# KiCad board guilty-pad-gay.kicad_pcb
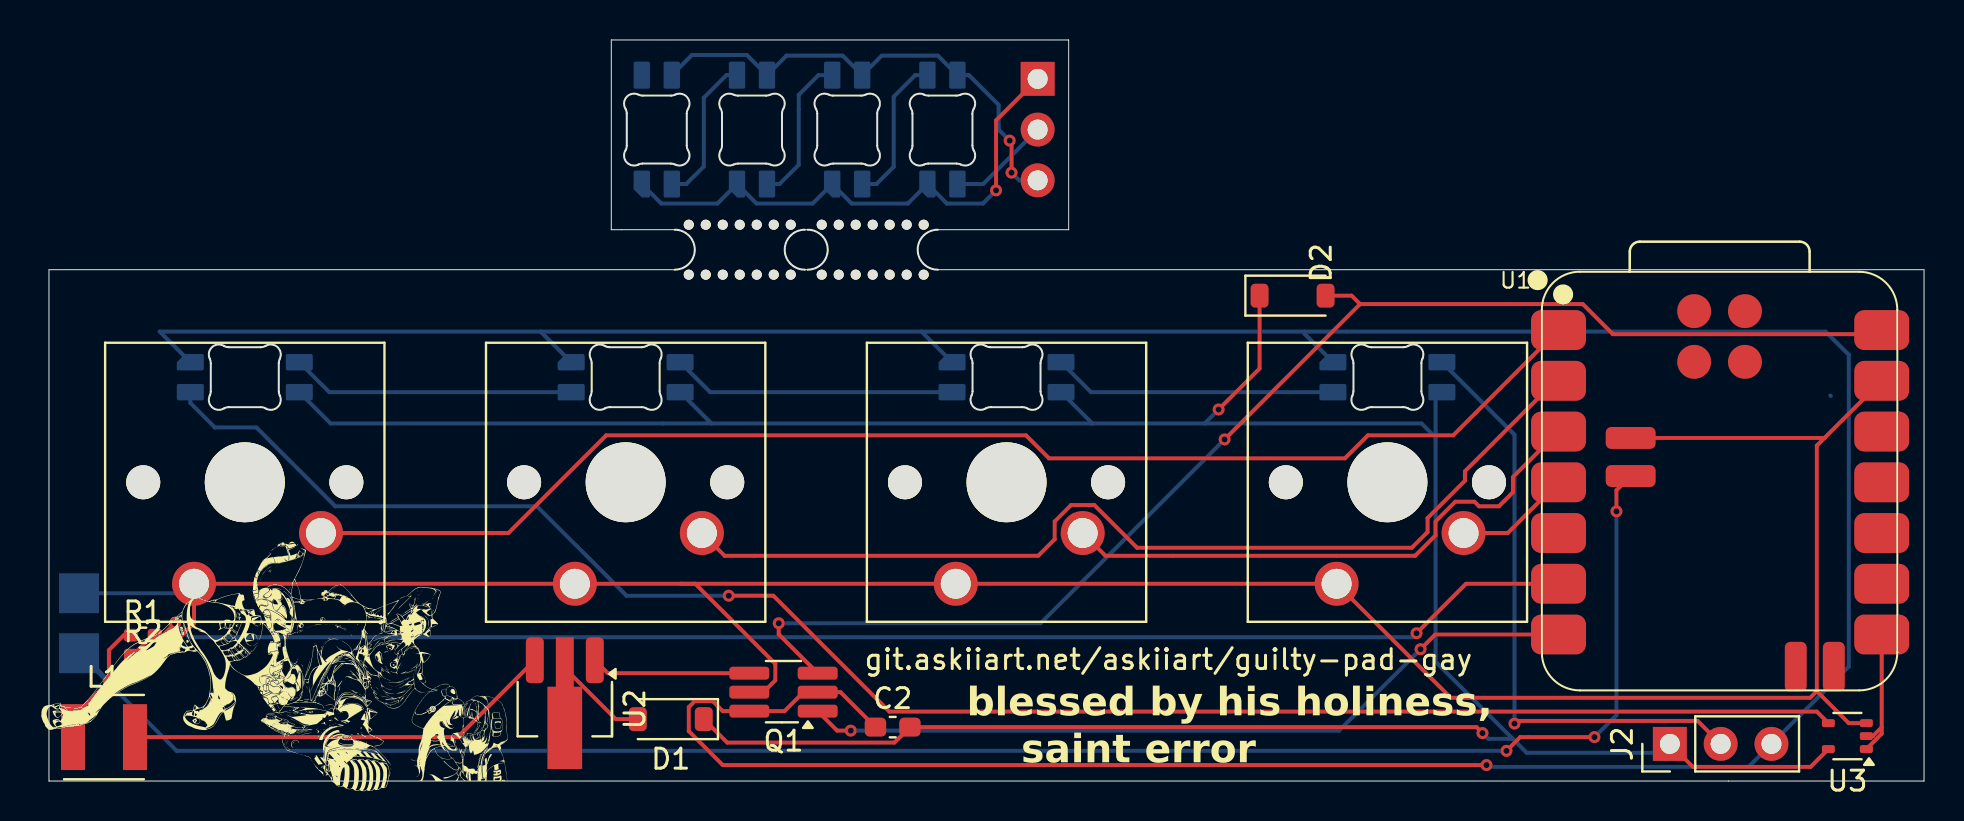
[diagram p0: board, top side]
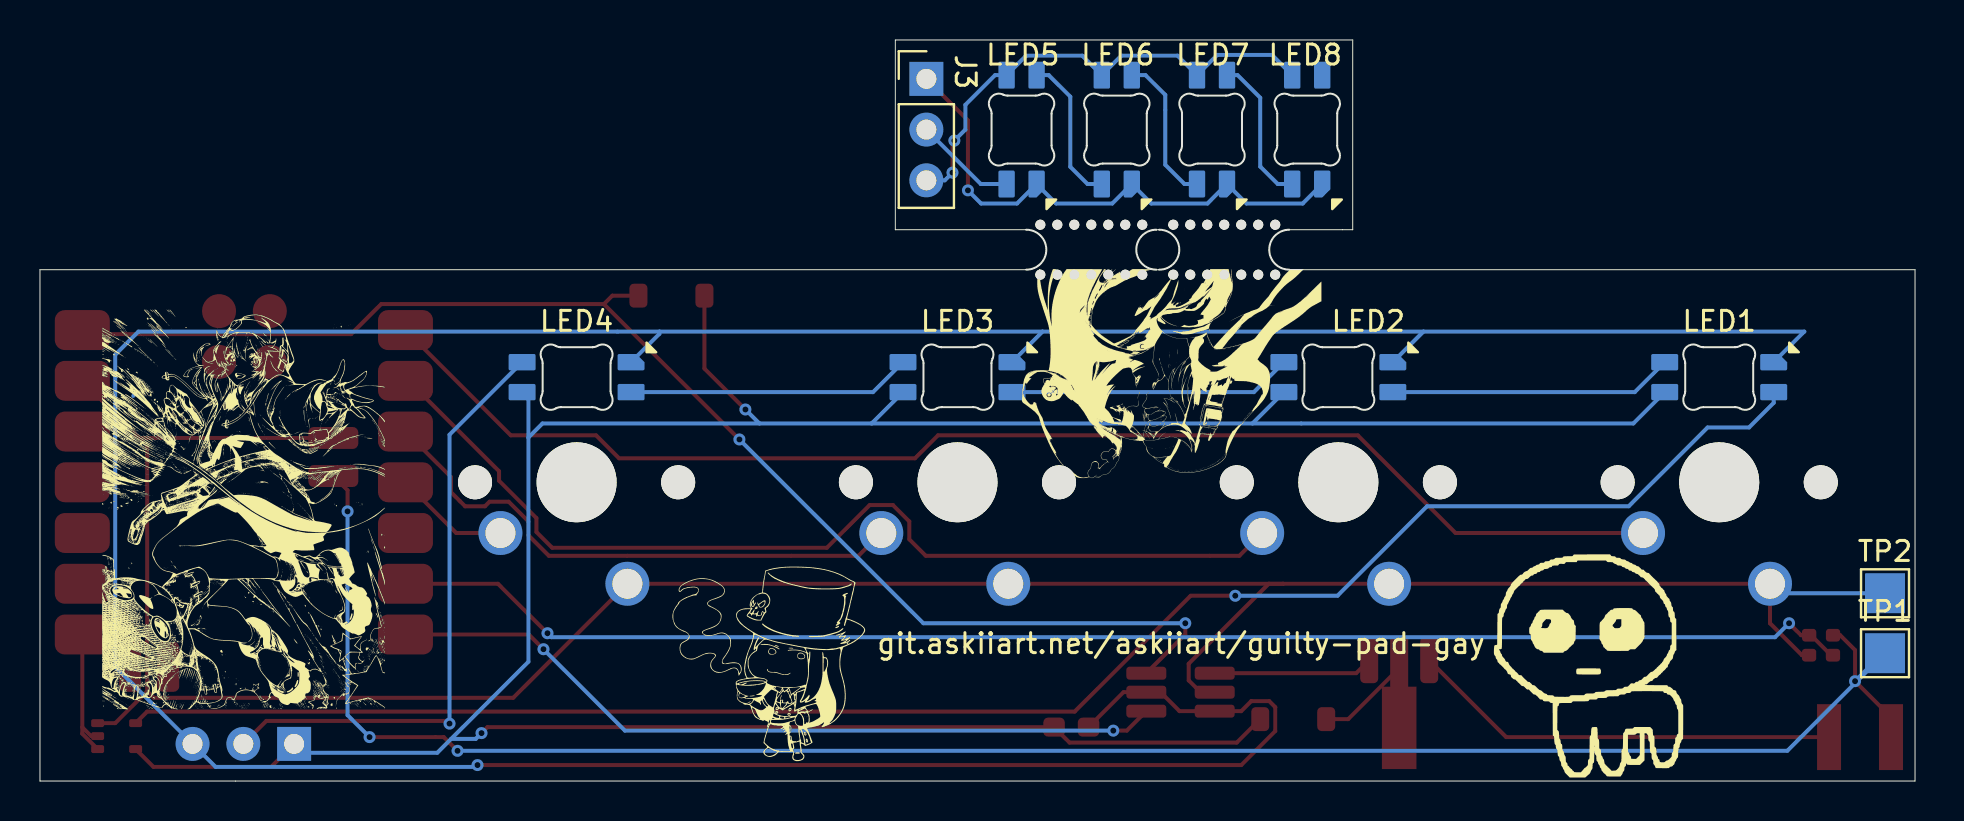
[diagram p1: board, bottom side, seen from below]

Outline 93.78 x 37.1 mm; copper layers: Top, Bottom. Coordinates in mm from the lower left corner of the outline.
Outline path: 31.3,25.6 0,25.6 0,0 93.78,0 93.78,25.6 44.45,25.6 ; 31.3,27.6 28.12,27.6 28.12,37.1 51,37.1 51,27.6 44.45,27.6 ; 37.8,27.6 37.95,27.6 ; 37.8,25.6 37.95,25.6

## Placement (name value [footprint] x y rotation side)
C2  10μF  [C_0603_1608Metric_Pad1.08x0.95mm_HandSolder]  42.2 2.7 0 top
D1  D  [D_SOD-123]  31.1 3.1 180 top
D2  D  [D_SOD-123]  62.2 24.3 0 top
G***  -  [LOGO]  20.6 2.5 0 top
G***#2  -  [LOGO]  9.61 5.51 270 top
G***#3  -  [LOGO]  57.5 5.8 180 bottom
G***#4  -  [LOGO]  15.69 5.8 180 bottom
G***#5  -  [LOGO]  37.4 20.12 0 bottom
G***#6  -  [LOGO]  83.6 13.6 180 bottom
J2  Conn_01x03_Socket  [PinHeader_1x03_P2.54mm_Vertical]  81.07 1.86 90 top
J3  Conn_01x03_Socket  [PinHeader_1x03_P2.54mm_Vertical]  49.45 35.15 180 bottom
L1  15μH  [L_Wurth_WE-LQSH-4020]  2.75 2.2 0 top
LED1  SK6812MINI-E  [LED_6028R]  9.79 20.22 0 bottom
LED2  SK6812MINI-E  [LED_6028R]  28.84 20.22 0 bottom
LED3  SK6812MINI-E  [LED_6028R]  47.89 20.22 0 bottom
LED4  SK6812MINI-E  [LED_6028R]  66.94 20.22 0 bottom
LED5  SK6812MINI-E  [LED_6028R]  44.69 32.61 90 bottom
LED6  SK6812MINI-E  [LED_6028R]  39.92 32.61 90 bottom
LED7  SK6812MINI-E  [LED_6028R]  35.16 32.61 90 bottom
LED8  SK6812MINI-E  [LED_6028R]  30.4 32.61 90 bottom
Q1  DMC3071LVT  [TSOT-23-6_HandSoldering]  36.74 4.45 180 top
R1  806k  [R_0402_1005Metric_Pad0.72x0.64mm_HandSolder]  4.7 7.3 0 top
R2  2M  [R_0402_1005Metric_Pad0.72x0.64mm_HandSolder]  4.7 6.3 0 top
REF**  -  [MouseBite-Slot_2.0x4.5mm_inset_D0.5mm_P0.85mm_7h]  34.55 25.6 0 top  (not fitted)
REF**#2  -  [MouseBite-Slot_2.0x4.5mm_inset_D0.5mm_P0.85mm_7h]  41.2 25.6 0 top  (not fitted)
SW1  SW_Push  [SW_Cherry_MX_1.00u_PCB]  7.25 9.88 180 top
SW2  SW_Push  [SW_Cherry_MX_1.00u_PCB]  26.3 9.88 180 top
SW3  SW_Push  [SW_Cherry_MX_1.00u_PCB]  45.35 9.88 180 top
SW4  SW_Push  [SW_Cherry_MX_1.00u_PCB]  64.4 9.88 180 top
TP1  TestPoint  [TestPoint_Pad_2.0x2.0mm]  1.5 6.4 0 bottom
TP2  TestPoint  [TestPoint_Pad_2.0x2.0mm]  1.5 9.4 0 bottom
U1  -  [XIAO-nRF52840-SMD]  83.61 14.96 0 top
U2  H8118A40PR  [SOT-89-3_Handsoldering]  25.8 3.6 270 top
U3  74LV1T08GW  [SOT-353_SC-70-5]  89.95 2.25 180 top

## Library data of the parts
C2 = -: Description: Unpolarized capacitor; ki_fp_filters: C_*
D1 D2 = -: Description: Diode; Sim.Pins: 1=K 2=A; ki_fp_filters: TO-???* *_Diode_* *SingleDiode* D_*
J2 J3 = -: Description: Generic connector, single row, 01x03, script generated; ki_fp_filters: Connector*:*_1x??_*
L1 = -: Description: Inductor; ki_fp_filters: Choke_* *Coil* Inductor_* L_*
LED1-LED8 = -: Description: Reverse mount adressable LED (WS2812 protocol)
Q1 = -: Datasheet: https://www.diodes.com/assets/Datasheets/DMC3071LVT.pdf; Description: 3.4A/-2.7A Id, 30V Vds, Complementary pair enhancement mode P-Channel and N-Channel MOSFET, TSOT-23-6; ki_fp_filters: TSOT?23*
R1 R2 = -: Description: Resistor; ki_fp_filters: R_*
SW1-SW4 = -: Description: Push button switch, generic, two pins
TP1 TP2 = -: Description: test point; ki_fp_filters: Pin* Test*
U2 = -: Datasheet: https://www.lcsc.com/datasheet/C219026.pdf; Description: 400mA 4V (0.7-4V) Boost Converter/Switching Regulator, SOT-89; ki_fp_filters: SOT?89*
U3 = -: Datasheet: https://assets.nexperia.com/documents/data-sheet/74LV1T08.pdf; Description: 2-input single supply translating AND gate, SOT-353; ki_fp_filters: SOT*353*

## Footprints (pads in the part's own frame, mm; a bottom-side part is the same pattern mirrored in y, then rotated)
C_0603_1608Metric_Pad1.08x0.95mm_HandSolder
  rrect 1.075x0.95 smd: 1(-0.863,0) 2(0.863,0)
D_SOD-123
  rrect 0.9x1.2 smd: 1(-1.65,0) 2(1.65,0)
L_Wurth_WE-LQSH-4020
  rect 1.2x3.3 smd: 1(-1.55,0) 2(1.55,0)
LED_6028R
  rrect 1.35x0.82 smd: 1(2.725,0.75) 2(2.725,-0.75) 3(-2.725,0.75) 4(-2.725,-0.75)
MouseBite-Slot_2.0x4.5mm_inset_D0.5mm_P0.85mm_7h
  round 0.5 hole 0.5 unplated: (-2.55,2.25) (-2.55,-0.25) (-1.7,2.25) (-1.7,-0.25) (-0.85,2.25) (-0.85,-0.25) (0,2.25) (0,-0.25) (0.85,2.25) (0.85,-0.25) (1.7,2.25) (1.7,-0.25) (2.55,2.25) (2.55,-0.25)
PinHeader_1x03_P2.54mm_Vertical
  rect 1.7x1.7 hole 1: 1(0,0)
  round 1.7 hole 1: 2(0,-2.54) 3(0,-5.08)
R_0402_1005Metric_Pad0.72x0.64mm_HandSolder
  rrect 0.715x0.64 smd: 1(-0.598,0) 2(0.598,0)
SOT-89-3_Handsoldering
  rrect 2.3x0.9 smd: 1(-2.45,1.5) 3(-2.45,-1.5)
  custom 6.6x1.733 smd: 2(-2.362,0)
SOT-353_SC-70-5
  rrect 0.65x0.4 smd: 1(-0.95,0.65) 2(-0.95,0) 3(-0.95,-0.65) 4(0.95,-0.65) 5(0.95,0.65)
SW_Cherry_MX_1.00u_PCB
  round 1.7 hole 1.7 unplated: (-7.62,-5.08) (2.54,-5.08)
  round 4 hole 4 unplated: (-2.54,-5.08)
  round 2.2 hole 1.5: 1(0,0) 2(-6.35,-2.54)
TestPoint_Pad_2.0x2.0mm
  rect 2x2 smd: 1(0,0)
TSOT-23-6_HandSoldering
  rrect 2x0.65 smd: 1(-1.71,0.95) 2(-1.71,0) 3(-1.71,-0.95) 4(1.71,-0.95) 5(1.71,0) 6(1.71,0.95)
XIAO-nRF52840-SMD
  rrect 2.75x2 smd: 1(-8.11,7.62) 2(-8.11,5.08) 3(-8.11,2.54) 4(-8.11,0) 5(-8.11,-2.54) 6(-8.11,-5.08) 7(-8.11,-7.62) 8(8.055,-7.62) 9(8.055,-5.08) 10(8.055,-2.54) 11(8.055,0) 12(8.055,2.54) 13(8.055,5.08) 14(8.055,7.62)
  rrect 2.5x1.1 smd: 15(-4.5,0.314) 16(-4.5,2.219)
  rrect 1.1x2.5 smd: 17(3.755,-9.237) 18(5.66,-9.237)
  round 1.7 smd: 19(-1.325,8.569) 20(1.215,8.569) 21(-1.325,6.029) 22(1.215,6.029)

## Nets
+5V: C2.2 D1.1 D2.1 J2.1 LED1.1 LED2.1 LED3.1 LED4.1 U3.5
+5V_USB: D2.2 Q1.3 U1.14
/VBAT: L1.1 R1.1 TP1.1 U1.15
GND: Q1.5 R2.2 SW1.1 SW2.1 SW3.1 SW4.1 TP2.1 U1.13 U1.16 U3.3
GND_LED_board: J3.1 LED5.4 LED6.4 LED7.4 LED8.4
+4_OR_5V_LED_board: J3.3 LED5.1 LED6.1 LED7.1 LED8.1
/BT_PIN: R1.2 R2.1 U1.6
/LED_CONTROL: LED1.3 U3.4
/LED_ENABLE: Q1.1 U1.7
/LED_GND: C2.1 J2.3 LED1.4 LED2.4 LED3.4 LED4.4 Q1.2 Q1.6
Net-(D1-A): D1.2 U2.2
Net-(J2-Pin_2): J2.2 LED4.2
Net-(J3-Pin_2): J3.2 LED5.3
Net-(LED1-DOUT): LED1.2 LED2.3
Net-(LED2-DOUT): LED2.2 LED3.3
Net-(LED3-DOUT): LED3.2 LED4.3
Net-(LED5-DOUT): LED5.2 LED6.3
Net-(LED6-DOUT): LED6.2 LED7.3
Net-(LED7-DOUT): LED7.2 LED8.3
Net-(Q1B-D): Q1.4 U2.1
Net-(U1-P0.02_A0_D0): SW1.2 U1.1
Net-(U1-P0.03_A1_D1): SW2.2 U1.2
Net-(U1-P0.28_A2_D2): SW3.2 U1.3
Net-(U1-P0.29_A3_D3): SW4.2 U1.4
Net-(U1-P1.12_D7_RX): U1.8 U3.1 U3.2
Net-(U2-VI): L1.2 U2.3

Pads without a net: LED8 2; U1 5 9 10 11 12 17 18 19 20 21 22

## Via types
v1: diameter 0.6, hole 0.3, Top to Bottom, 18 vias

## Routing (per net, layer and track width the routed paths; a pad name or vN(x,y) marks a point on that pad's centre or on a via; arc(x,y) is an arc through that point)
+5V: length 147.5
  Top w0.2: v1(71.7,2.4) 71.4,2.7 C2.2 42.29,1.92 33.93,1.92 D1.1 ; U3.5 88.11,0.71 82.22,0.71 J2.1 ; D2.1 60.55,20.65 v1(58.5,18.6)
  Bottom w0.2: LED1.1 14.09,17.9 33.14,17.9 ; LED4.1 69.35,19.15 69.35,17.2 ; 73.21,2.11 69.35,5.97 69.35,17.2 ; 73.21,2.11 71.99,2.11 v1(71.7,2.4) ; 73.21,2.11 73.91,1.41 80.63,1.41 J2.1 ; LED2.1 33.14,17.9 ; 33.14,17.9 52.19,17.9 ; 52.19,17.9 57.8,17.9 ; 52.19,17.9 LED3.1 ; 57.8,17.9 v1(58.5,18.6) ; 57.8,17.9 68.65,17.9 69.35,17.2 ; 89.12,19.28 89.1,19.3
+5V_USB: length 67.7
  Top w0.2: v1(58.8,17.1) 65.58,23.88 ; 65.58,23.88 76.72,23.88 78.22,22.37 91.47,22.37 U1.14 ; 65.58,23.88 65.15,24.3 D2.2 ; v1(36.5,7.9) 36.5,7.35 Q1.3
  Bottom w0.2: v1(58.8,17.1) 49.6,7.9 v1(36.5,7.9)
/VBAT: length 100.5
  Top w0.2: U1.15 78.4,14.56 v1(78.4,13.5) ; v1(72.9,1.51) 73.59,2.2 v1(77.3,2.2) ; L1.1 1.2,3.2 v1(3,5) 3,6.56 3.74,7.3 R1.1
  Bottom w0.2: v1(78.4,13.5) 78.4,3.3 v1(77.3,2.2) ; v1(72.9,1.51) 6.39,1.51 TP1.1 1.6,6.4 v1(3,5)
GND: length 132.7
  Top w0.2: 88.81,17.17 U1.13 ; 88.81,17.17 88.42,16.79 88.42,4.5 ; 88.81,17.17 U1.16 ; 31.6,9.88 SW3.1 SW4.1 70.11,4.17 88.09,4.17 88.42,4.5 ; 31.6,9.88 32.32,9.88 36.33,5.87 36.33,5.04 35.74,4.45 Q1.5 ; 31.6,9.88 SW2.1 SW1.1 7.25,7.9 5.65,6.3 R2.2 ; 88.42,4.5 90.02,2.9 U3.3
  Bottom w0.2: SW1.1 6.78,9.4 TP2.1
GND_LED_board: length 27.3
  Top w0.2: J3.1 47.37,33.07 v1(47.37,29.57)
  Bottom w0.2: LED8.4 30.63,28.91 33.44,28.91 LED7.4 35.39,28.91 38.2,28.91 LED6.4 40.15,28.91 42.96,28.91 LED5.4 44.91,28.91 46.71,28.91 v1(47.37,29.57)
+4_OR_5V_LED_board: length 24.5
  Top w0.2: v1(48.05,32.06) 48.14,31.97 v1(48.14,30.46)
  Bottom w0.2: v1(48.14,30.46) 48.53,30.07 J3.3 ; LED8.1 32.16,36.35 34.9,36.35 LED7.1 36.89,36.31 39.7,36.31 LED6.1 41.65,36.31 44.46,36.31 LED5.1 46.01,35.34 47.5,33.85 47.5,32.61 v1(48.05,32.06)
/BT_PIN: length 73.5
  Top w0.2: U1.6 70.88,9.88 v1(68.4,7.4) ; v1(6.3,7.9) 5.7,7.3 5.2,7.3 4.2,6.3 R2.1
  Bottom w0.2: v1(6.3,7.9) 7,7.2 68.2,7.2 v1(68.4,7.4)
/LED_CONTROL: length 89.1
  Top w0.2: v1(34,9.28) 36.23,9.28 42.03,3.48 88.42,3.48 U3.4
  Bottom w0.2: LED1.3 7.07,18.93 8.3,17.7 10.37,17.7 14.32,13.76 24.41,13.76 28.89,9.28 v1(34,9.28)
/LED_ENABLE: length 39.5
  Top w0.2: U1.7 69.34,7.34 v1(68.6,6.6) ; v1(40.1,2.52) 39.42,2.52 Q1.1
  Bottom w0.2: v1(40.1,2.52) 64.52,2.52 v1(68.6,6.6)
/LED_GND: length 182
  Top w0.2: C2.1 39.59,4.45 Q1.2 37.74,4.45 36.79,3.5 Q1.6 33.7,3.5 33.2,4 32.3,4 32,3.7 32,2.5 33.7,0.8 v1(71.9,0.8)
  Bottom w0.2: 43.64,22.5 24.59,22.5 ; 43.64,22.5 62.8,22.5 ; 43.64,22.5 LED3.4 ; 24.59,22.5 5.54,22.5 LED1.4 ; 24.59,22.5 LED2.4 ; 62.8,22.5 62.8,22.39 LED4.4 ; 62.8,22.5 88.86,22.5 90.02,21.34 90.02,5.73 J2.3 85,0.71 71.99,0.71 v1(71.9,0.8)
Net-(D1-A): length 5
  Top w0.2: U2.2 25.8,5.65 28.35,3.1 D1.2
Net-(J2-Pin_2): length 30.4
  Top w0.2: J2.2 82.46,3.01 73.43,3.01 v1(73.3,2.88)
  Bottom w0.2: v1(73.3,2.88) 73.3,17.34 LED4.2
Net-(J3-Pin_2): length 5.1
  Bottom w0.2: J3.2 46.72,29.89 LED5.3
Net-(LED1-DOUT): length 14.2
  Bottom w0.2: LED1.2 14.02,19.47 LED2.3
Net-(LED2-DOUT): length 14.2
  Bottom w0.2: LED2.2 33.07,19.47 LED3.3
Net-(LED3-DOUT): length 14.2
  Bottom w0.2: LED4.3 52.12,19.47 LED3.2
Net-(LED5-DOUT): length 7.6
  Bottom w0.2: LED5.2 43.33,35.34 42.25,34.26 42.25,30.75 41.39,29.89 LED6.3
Net-(LED6-DOUT): length 7.6
  Bottom w0.2: LED6.2 38.49,35.34 37.5,34.35 37.5,30.85 36.54,29.89 LED7.3
Net-(LED7-DOUT): length 7.5
  Bottom w0.2: LED8.3 31.87,29.89 32.75,30.76 32.75,34.2 33.88,35.34 LED7.2
Net-(Q1B-D): length 8
  Top w0.2: Q1.4 27.95,5.4 U2.1
Net-(U1-P0.02_A0_D0): length 67.1
  Top w0.2: SW1.2 22.98,12.42 27.87,17.31 48.87,17.31 50.02,16.16 64.82,16.16 65.97,17.31 70.23,17.31 U1.1
Net-(U1-P0.03_A1_D1): length 49.9
  Top w0.2: SW2.2 33.79,11.28 49.48,11.28 50.3,12.1 50.3,13 51.12,13.82 52.28,13.82 54.42,11.68 68.16,11.68 68.95,12.47 68.95,13.16 70.82,15.03 70.82,15.51 75.35,20.04 U1.2
Net-(U1-P0.28_A2_D2): length 27.9
  Top w0.2: U1.3 73.22,15.22 73.22,14.46 72.52,13.76 71.53,13.76 71.3,13.98 70.34,13.98 69.35,13 69.35,12.3 68.33,11.28 52.84,11.28 SW3.2
Net-(U1-P0.29_A3_D3): length 5.8
  Top w0.2: U1.4 72.96,12.42 SW4.2
Net-(U1-P1.12_D7_RX): length 7
  Top w0.2: U3.1 91.67,2.37 91.67,2.69 ; U3.2 91.22,2.25 91.67,2.69 ; 91.67,2.69 U1.8
Net-(U2-VI): length 21.6
  Top w0.2: L1.2 20.45,2.2 U2.3

## Text on the board
B.Silkscreen: git.askiiart.net/askiiart/guilty-pad-gay
F.Silkscreen: git.askiiart.net/askiiart/guilty-pad-gay | blessed by his holiness, / saint error
